# Altium PCB MK66MCU_V03.PcbDoc (part 2 of 2)
Units mil, origin at the board's own origin, x right, y up, seen from the top; angles counter-clockwise.
Board outline 4645.68 x 3342.52 mil, 2 copper layers (Top Layer, Bottom Layer); 103 components, 108 nets, 463 pads, 99 vias.
Unrouted connection lines stored in the file: 2.
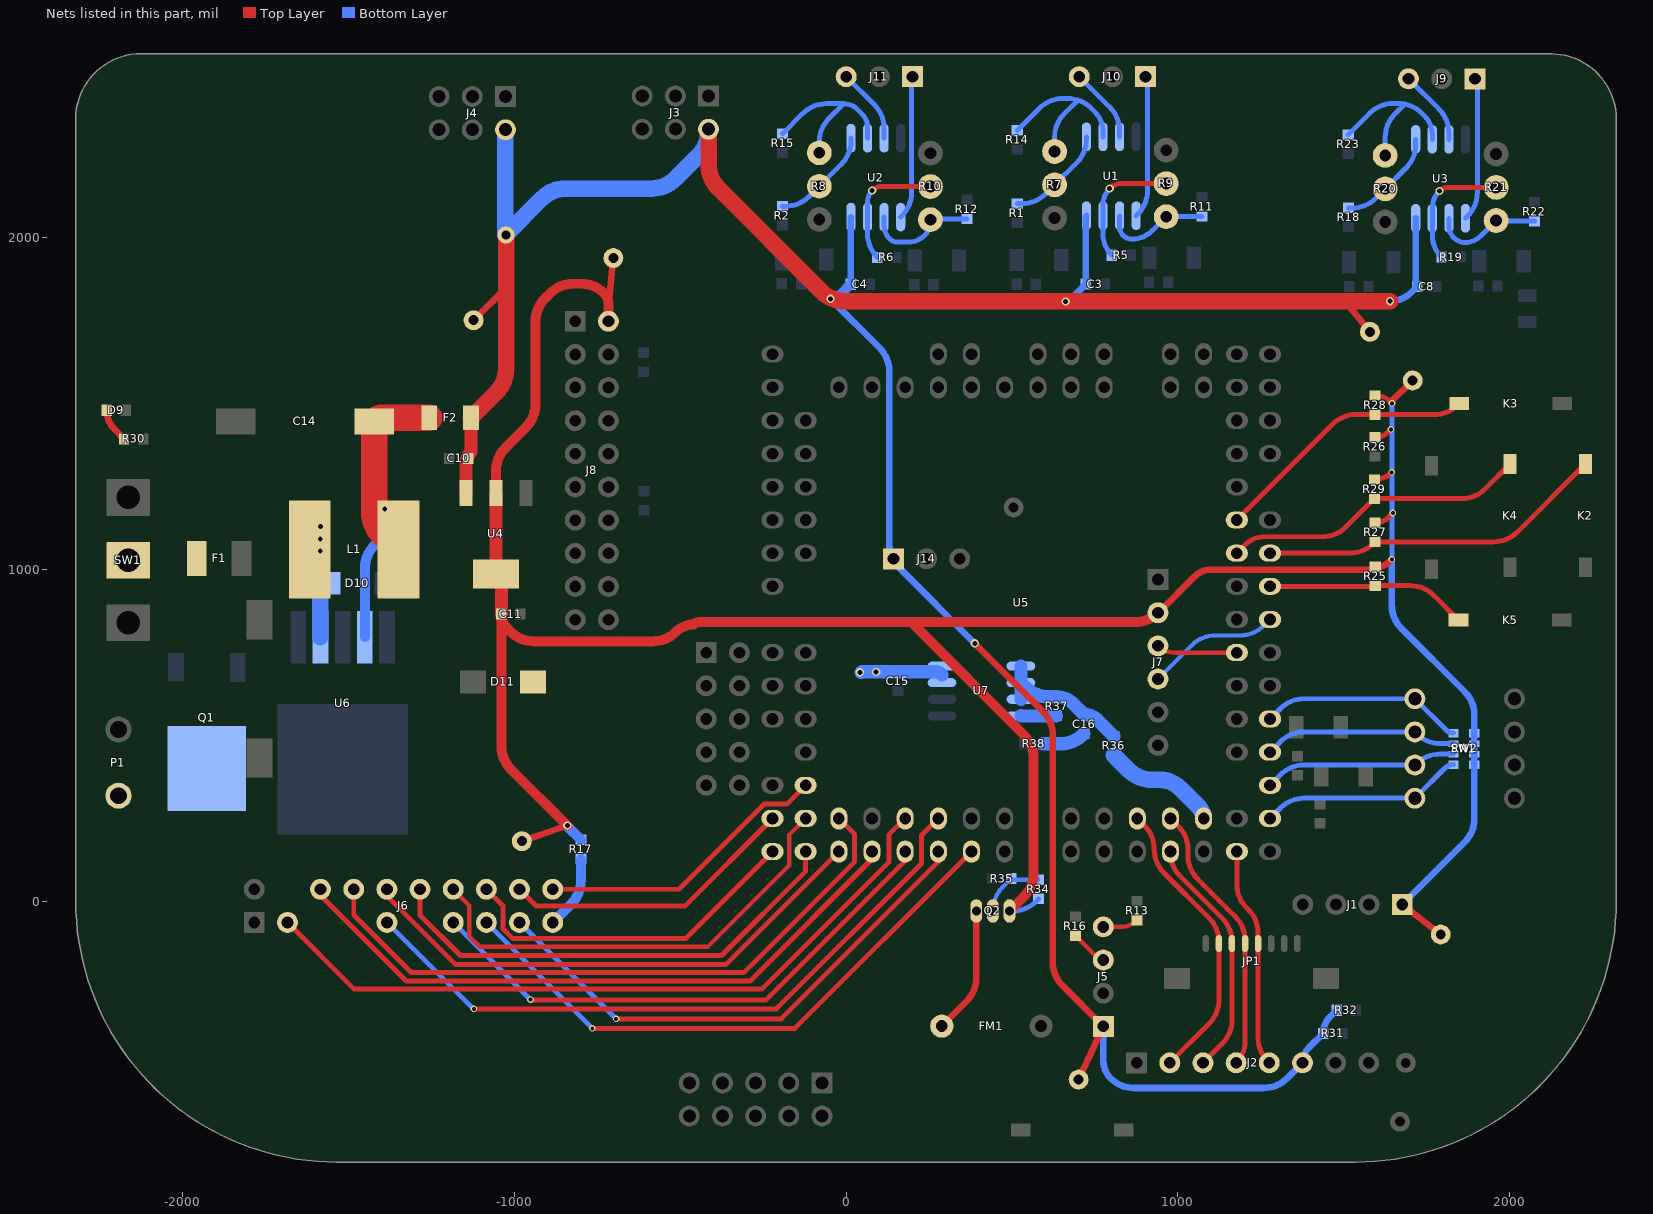
[diagram p2: the nets of this part, all layers, seen from the top]

## Via types
v1: diameter 25, hole 15, Top Layer to Bottom Layer, tented both sides, 80 vias
v2: diameter 20, hole 12, Top Layer to Bottom Layer, tented both sides, 18 vias
v3: diameter 50, hole 28, Top Layer to Bottom Layer, tented both sides, 1 vias

## Nets (pads, with @x,y where several pads share a name; then routed paths per layer and width w, separated by ;. In a path a pad name is that pad's centre, name@x,y a point inside that pad or via, vN(x,y) a via of type N, cw(c..) or ccw(c..) an arc to the next point about the centre after c; other vN are vias at no path point) (continued)
KEY2: K2.B R27.1 U5.43 | length 1053.8
  Top Layer w15: U5.43@1278.5,1049 1519.82,1049 ccw(c1519.82,1149) 1590.53,1078.29 R27.1@1595.5,1083.26 1953.33,1083.26 ccw(c1953.33,1183.26) 2024.04,1112.55 K2.B@2229.5,1318.01
KEY3: K3.B R28.1 U5.46 | length 807.3
  Top Layer w15: U5.46@1178.5,1149 1467.21,1437.71 cw(c1537.92,1367) 1537.92,1467 R28.1@1595.5,1467 1774.57,1467 ccw(c1774.57,1567) 1845.28,1496.29 K3.B@1848.99,1500
KEY4: K4.B R29.1 U5.44 | length 923.3
  Top Layer w15: U5.44@1178.5,1049 1204.31,1074.81 cw(c1261.5,1017.62) 1261.5,1098.5 1436.82,1098.5 ccw(c1436.82,1198.5) 1507.53,1127.79 R29.1@1593.5,1213.76 1856.83,1213.76 ccw(c1856.83,1313.76) 1927.54,1243.05 K4.B@2002.5,1318.01
KEY5: K5.B R25.1 U5.41 | length 607.8
  Top Layer w15: U5.41@1278.5,949 1591.12,949 ccw(c1591.12,955.9) R25.1@1596,951.02 1701.55,951.02 cw(c1701.55,851.02) 1772.26,921.73 K5.B@1846.99,847
LC1: J9.1 U3.5 | length 433.1
  Bottom Layer w15: U3.5@1868,2059 1874.71,2065.71 ccw(c1804,2136.42) 1904,2136.42 1904,2461.39 ccw(c1878.39,2461.39) J9.1@1896.5,2479.5
LC2: J9.3 U3.3 | length 228.5
  Bottom Layer w15: J9.3@1696.5,2479.5 1788.71,2387.29 cw(c1718,2316.58) 1818,2316.58 U3.3@1818,2297
LC3: J10.1 U1.5 | length 430.8
  Bottom Layer w15: U1.5@875,2066.5 879.71,2071.21 ccw(c809,2141.92) 909,2141.92 909,2472.72 ccw(c890.22,2472.72) J10.1@903.5,2486
LC4: J10.3 U1.3 | length 227.5
  Bottom Layer w15: J10.3@703.5,2486 795.71,2393.79 cw(c725,2323.08) 825,2323.08 U1.3@825,2304.5
LC5: J11.1 U2.5 | length 433.5
  Bottom Layer w15: U2.5@165,2062.5 168.21,2065.71 ccw(c97.5,2136.42) 197.5,2136.42 197.5,2478.76 cw(c207.74,2478.76) J11.1@200.5,2486
LC6: J11.3 U2.3 | length 228.6
  Bottom Layer w15: J11.3@0.5,2486 85.71,2400.79 cw(c15,2330.08) 115,2330.08 U2.3@115,2300.5
LCD_CS: J6.9 U5.7 | length 1610.5
  Top Layer w15: v2(-693,-355.5) -195,-355.5 278.5,118 U5.7@278.5,149
  Bottom Layer w15: J6.9@-984.5,-64.5 v2@-693.25,-355.75
LCD_D0: J6.11 U5.85 | length 892.9
  Top Layer w15: J6.11@-884.5,35.5 -503.81,35.5 -247.22,292.09 -178.41,292.09 U5.85@-121.5,349
LCD_D1: J6.12 U5.84 | length 893.7
  Top Layer w15: J6.12@-984.5,35.5 -933.5,-15.5 -486,-15.5 U5.84@-221.5,249
LCD_D2: J6.13 U5.82 | length 1074
  Top Layer w15: J6.13@-1084.5,35.5 -1034.5,-14.5 -1034.5,-83.79 -1004.79,-113.5 -484,-113.5 U5.82@-221.5,149
LCD_D3: J6.14 U5.83 | length 1403.2
  Top Layer w13: J6.14@-1184.5,35.5 -1136.5,-12.5 -1136.5,-105.5 -1104.5,-137.5 -415.94,-137.5 -171.54,106.91 -171.54,198.96 U5.83@-121.5,249
LCD_D4: J6.15 U5.81 | length 1456.2
  Top Layer w15: J6.15@-1284.5,35.5 -1284.5,-42.5 -1162.5,-164.5 -375.5,-164.5 -121.5,89.5 U5.81@-121.5,149
LCD_D5: J6.16 U5.1 | length 1609.4
  Top Layer w15: J6.16@-1384.5,35.5 -1384.5,15.5 -1178,-191 -361.5,-191 U5.1@-21.5,149
LCD_D6: J6.17 U5.2 | length 1948.8
  Top Layer w15: J6.17@-1484.5,35.5 -1484.5,-42 -1310.5,-216 -308.5,-216 26,118.5 26,201.5 U5.2@-21.5,249
LCD_D7: J6.18 U5.3 | length 1962.8
  Top Layer w15: J6.18@-1584.5,35.5 -1584.5,17.5 -1326,-241 -289,-241 78.5,126.5 U5.3@78.5,149
LCD_RD: J6.2 U5.6 | length 2208.1
  Top Layer w15: J6.2@-1684.5,-64.5 -1483,-266 -254,-266 129,117 129,199.5 U5.6@178.5,249
LCD_RS: J6.5 U5.8 | length 2061.9
  Top Layer w15: v2@-1125,-325 v2(-1122.5,-325) -210,-325 227.5,112.5 227.5,198 U5.8@278.5,249
  Bottom Layer w15: J6.5@-1384.5,-64.5 v2@-1122.5,-326.5
LCD_RST: J6.8 U5.9 | length 1816
  Top Layer w15: v2@-765.25,-384 -154.5,-384 U5.9@378.5,149
  Bottom Layer w15: J6.8@-1084.5,-64.5 v2(-765.25,-383.75)
LCD_WR: J6.7 U5.5 | length 1661.1
  Top Layer w15: v2@-951.5,-298 -240.5,-298 178.5,121 U5.5@178.5,149
  Bottom Layer w15: J6.7@-1184.5,-64.5 v2(-951.5,-297.5)
NetC14_1: C14.1 F2.1 L1.1 U6.4 | length 983.8
  Top Layer w80: L1.1@-1349.14,1060.5 -1393.55,1104.91 cw(c-1322.84,1175.62) -1422.84,1175.62 C14.1@-1422.84,1446.5 cw(c-1396.28,1419.94) -1396.28,1457.5 F2.1@-1256.99,1457.5
  Bottom Layer w30: U6.4@-1451,795.5 -1451,1002.58 cw(c-1351,1002.58) -1421.71,1073.29 -1420.29,1074.71 ccw(c-1491,1145.42) -1391,1145.42 v1(-1391,1182)
NetC15_2: C15.2 D11.2 U7.3 U7.4 | length 246.6
  Bottom Layer w40: v1@46,689.5 cw(c51.41,684.09) 51.41,691.74 C15.2@156.5,691.74 267.19,691.74 cw(c267.19,660.19) 289.5,682.5
  other v1: 41.5,689.5 91,690.5
NetC16_1: C16.1 R36.1 R37.2 U7.5 U7.6 U7.7 | length 437.6
  Bottom Layer w40: U7.7@527.5,608.5 U7.6@527.5,658.5 ; U7.5@527.5,708.5 U7.6@527.5,658.5 ; R36.1@808,496.74 759.41,545.33 ccw(c718,503.91) C16.1@718,562.48 685.77,594.71 ccw(c635,543.94) R37.2@635,615.74 611.68,615.74 cw(c611.68,715.74) 540.97,645.03 U7.6@527.5,658.5
NetC16_2: C16.2 R38.2 | length 132.3
  Bottom Layer w40: R38.2@594.24,474 645.58,474 ccw(c645.58,574) 716.29,503.29 C16.2@718,505
NetD9_A: D9.A R30.1 | length 104.5
  Top Layer w20: D9.A@-2229.24,1480 ccw(c-2145.95,1480) -2204.85,1421.11 R30.1@-2177.24,1393.5
NetD10_2: D10.2 L1.2 U6.2 | length 340.1
  Bottom Layer w50: U6.2@-1584.86,795.5 -1584.86,958.5 v1(-1584.86,1129.31) cw(c-1576.81,1129.31) v1@-1582.5,1135
  other v1: -1585.5,1056 -1585.5,1092
NetF1_2: F1.2 SW1.2
NetFM1_1: FM1.1 Q2.3 | length 385.8
  Top Layer w20: FM1.1@288.9,-377 363.71,-302.19 ccw(c293,-231.48) 393,-231.48 Q2.3@393,-30
NetJ5_3: J5.3 R16.2 | length 113.2
  Top Layer w13: R16.2@692,-104.74 757.67,-170.41 ccw(c776,-152.07) J5.3@776,-178
NetJ5_4: J5.4 R13.2 | length 107.5
  Top Layer w13: J5.4@776,-78 828.51,-78 ccw(c828.51,-8.01) R13.2@878,-57.5
NetJ6_10: J6.10 R17.1 | length 222.7
  Bottom Layer w30: J6.10@-884.5,-64.5 -828.79,-8.79 ccw(c-899.5,61.92) -799.5,61.92 R17.1@-799.5,127.26
NetQ2_2: Q2.2 R34.2 R35.2 | length 199.5
  Bottom Layer w13: Q2.2@443,-30 443,-28.92 cw(c543,-28.92) 472.29,41.79 R35.2@498,67.5 ccw(c507.08,76.58) 507.08,63.74 R34.2@580.5,63.74
NetR1_2: R1.2 R7.2 U1.1 | length 311.9
  Bottom Layer w15: R1.2@516.5,2103.24 531.21,2103.24 ccw(c531.21,2203.24) 601.92,2132.53 R7.2@629,2159.6 695.71,2226.32 ccw(c625,2297.03) 725,2297.03 U1.1@725,2304.5
NetR2_2: R2.2 R8.2 U2.1 | length 312.5
  Bottom Layer w15: R2.2@-192,2094.98 -182.44,2094.98 ccw(c-182.44,2194.98) -111.73,2124.27 R8.2@-80.5,2155.5 -14.29,2221.71 ccw(c-85,2292.42) 15,2292.42 U2.1@15,2300.5
NetR5_2: R5.2 R9.2 U1.7 | length 388
  Top Layer w15: v1(795,2148.5) cw(c831.47,2112.03) 831.47,2163.6 R9.2@965.5,2163.6
  Bottom Layer w15: v1(795,2148.5) ccw(c843.28,2100.22) 775,2100.22 U1.7@775,2066.5 775,2011.52 ccw(c865.54,2011.52) R5.2@801.52,1947.5
NetR6_2: R6.2 R10.2 U2.7 | length 392.4
  Top Layer w15: v1(79,2143) cw(c107.02,2114.98) 107.02,2154.6 R10.2@254.5,2154.6
  Bottom Layer w15: v1(79,2143) ccw(c112.8,2109.2) 65,2109.2 U2.7@65,2062.5 65,2012.18 ccw(c165,2012.18) 94.29,1941.47 R6.2@94.76,1941
NetR7_3: R7.3 R14.1 U1.2 | length 543.6
  Bottom Layer w15: R14.1@516.5,2323.74 583.47,2390.71 cw(c654.18,2320) 654.18,2420 669.08,2420 cw(c669.08,2320) 699.45,2415.28 ; R7.3@629,2260.4 629,2303.4 cw(c729,2303.4) 658.29,2374.11 699.45,2415.28 ; U1.2@775,2304.5 775,2320.14 ccw(c689.64,2320.14) 750,2380.5 739.79,2390.71 ccw(c669.08,2320) 699.45,2415.28
NetR8_3: R8.3 R15.1 U2.2 | length 534.4
  Bottom Layer w15: R15.1@-191,2314.24 -130.03,2375.21 cw(c-59.32,2304.5) -59.32,2404.5 -7,2404.5 ; R8.3@-80.5,2256.29 -80.5,2289.58 cw(c19.5,2289.58) -51.21,2360.29 -7,2404.5 ; U2.2@65,2300.5 65,2333.17 ccw(c8.67,2333.17) 48.5,2373 33.97,2387.53 ccw(c-7,2346.56) -7,2404.5
NetR9_1: R9.1 R11.2 U1.6 | length 326.8
  Bottom Layer w15: U1.6@825,2066.5 825,2034.26 ccw(c864.26,2034.26) 836.5,2006.5 ccw(c861.85,2031.85) 861.85,1996 ccw(c861.85,2083.02) 923.38,2021.49 R9.1@965.5,2063.6 1071.42,2063.6 ccw(c1071.42,2065.84) R11.2@1073,2064.26
NetR10_1: R10.1 R12.2 U2.6 | length 346.3
  Bottom Layer w15: U2.6@115,2062.5 115,2037.54 ccw(c173.04,2037.54) 132,1996.5 ccw(c154.94,2019.44) 154.94,1987 186.59,1987 ccw(c186.59,2060.41) 238.5,2008.5 ccw(c199.87,2047.13) 254.5,2047.13 R10.1@254.5,2054.6 cw(c259.7,2049.4) 259.7,2056.76 R12.2@364.5,2056.76
NetR18_2: R18.2 R20.2 U3.1 | length 313.2
  Bottom Layer w15: R18.2@1515.5,2090.09 1527.06,2090.09 ccw(c1527.06,2190.09) 1597.77,2119.37 R20.2@1626,2147.6 1688.71,2210.32 ccw(c1618,2281.03) 1718,2281.03 U3.1@1718,2297
NetR19_2: R19.2 R21.2 U3.7 | length 386.5
  Top Layer w15: v1(1789.5,2141) cw(c1816.31,2114.19) 1816.31,2152.1 R21.2@1960.5,2152.1
  Bottom Layer w15: v1(1789.5,2141) ccw(c1841.41,2089.09) 1768,2089.09 U3.7@1768,2059 1768,2008.62 ccw(c1862.78,2008.62) R19.2@1795.76,1941.61
NetR20_3: R20.3 R23.1 U3.2 | length 527.7
  Bottom Layer w15: R23.1@1514.5,2310.85 1579.37,2375.71 cw(c1650.08,2305) 1650.08,2405 1665.58,2405 cw(c1665.58,2305) 1684.92,2403.11 ; R20.3@1626,2248.4 1626,2302.77 cw(c1726,2302.77) 1655.29,2373.48 1684.92,2403.11 ; U3.2@1768,2297 1768,2312.18 ccw(c1691.18,2312.18) 1745.5,2366.5 1736.29,2375.71 ccw(c1665.58,2305) 1684.92,2403.11
NetR21_1: R21.1 R22.2 U3.6 | length 334.9
  Bottom Layer w15: U3.6@1818,2059 1818,2035.51 ccw(c1867.51,2035.51) 1832.5,2000.5 ccw(c1867.51,2035.51) 1867.51,1986 ccw(c1867.51,2050.92) 1913.41,2005.01 R21.1@1960.5,2052.1 ccw(c1965.33,2056.93) 1965.33,2050.11 R22.2@2076,2050.1
NetR31_2: 
NetR37_1: R37.1 U7.8 | length 107.6
  Bottom Layer w40: U7.8@527.5,558.5 527.74,558.26 R37.1@635,558.26
PWM_MOTOR1+: J2.5 JP1.5 U5.26 | length 664.7
  Top Layer w15: U5.26@1178.5,149 1178.5,50.42 ccw(c1278.5,50.42) 1207.79,-20.29 1213.4,-25.9 cw(c1142.69,-96.61) 1242.69,-96.61 JP1.5@1242.69,-128.24 1242.69,-412.76 ccw(c1342.69,-412.76) 1271.97,-483.47 J2.5@1276.5,-488
PWM_MOTOR1-: J2.4 JP1.4 U5.22 | length 824.6
  Top Layer w15: U5.22@978.5,249 1002.21,225.29 cw(c931.5,154.58) 1031.5,154.58 1031.5,135 ccw(c1126.86,135) 1059.43,67.57 1174.03,-47.03 cw(c1103.31,-117.74) 1203.31,-117.74 JP1.4@1203.31,-128.24 1203.31,-423.26 cw(c1111.76,-423.26) J2.4@1176.5,-488
PWM_MOTOR2+: J2.3 JP1.3 U5.21 | length 737.1
  Top Layer w15: U5.21@978.5,149 978.5,145.42 ccw(c1078.5,145.42) 1007.79,74.71 1134.66,-52.16 cw(c1063.94,-122.87) 1163.94,-122.87 JP1.3@1163.94,-128.24 1163.94,-359.13 cw(c1063.94,-359.13) 1134.66,-429.84 J2.3@1076.5,-488
PWM_MOTOR2-: J2.2 JP1.2 U5.20 | length 883.1
  Top Layer w15: U5.20@878.5,249 900.21,227.29 cw(c829.5,156.58) 929.5,156.58 929.5,155.42 ccw(c1029.5,155.42) 958.79,84.71 1095.29,-51.79 cw(c1024.57,-122.5) 1124.57,-122.5 JP1.2@1124.57,-128.24 1124.57,-298.5 cw(c1024.57,-298.5) 1095.29,-369.21 J2.2@976.5,-488
SW1: RN1.4 SW2.1 U5.33 | length 616.2
  Bottom Layer w15: U5.33@1278.5,549 1310.21,580.71 cw(c1380.92,510) 1380.92,610 SW2.1@1715.5,610 1810.68,514.82 ccw(c1832,536.13) RN1.4@1832,505.99
SW2: RN1.3 SW2.2 U5.31 | length 584.9
  Bottom Layer w15: U5.31@1278.5,449 1310.21,480.71 cw(c1380.92,410) 1380.92,510 SW2.2@1715.5,510 1721.71,503.79 ccw(c1792.42,574.5) 1792.42,474.5 RN1.3@1832,474.5
SW3: RN1.2 SW2.3 U5.29 | length 583.8
  Bottom Layer w15: U5.29@1278.5,349 1310.21,380.71 cw(c1380.92,310) 1380.92,410 SW2.3@1715.5,410 1719.21,413.71 cw(c1789.92,343) 1789.92,443 RN1.2@1832,443
SW4: RN1.1 SW2.4 U5.27 | length 615
  Bottom Layer w15: U5.27@1278.5,249 1310.21,280.71 cw(c1380.92,210) 1380.92,310 SW2.4@1715.5,310 1806.41,400.91 cw(c1832,375.31) RN1.1@1832,411.51
TOF_RXD: J7.3 U5.38 | length 243
  Top Layer w13: J7.3@941,769.5 ccw(c990.49,818.99) 990.49,749 U5.38@1178.5,749
TOF_TXD: J7.4 U5.39 | length 403.2
  Bottom Layer w13: J7.4@941,669.5 1043.21,771.71 cw(c1113.92,701) 1113.92,801 1189.08,801 ccw(c1189.08,901) 1259.79,830.29 U5.39@1278.5,849
VCC5V_MCU: R36.2 U5.24 | length 351
  Bottom Layer w50: R36.2@808,439.26 852.47,394.79 ccw(c923.18,465.5) 923.18,365.5 946.5,365.5 cw(c946.5,279.8) 1007.1,340.4 1064.36,283.14 cw(c1030.22,249) U5.24@1078.5,249
VCC_3.3V: C11.1 J1.1 J7.2 J8.20 pad.3 Q2.1 R17.2 R25.2 R26.2 R27.2 R28.2 R29.2 R34.1 RN1.5 RN1.6 RN1.7 RN1.8 U4.2 U4.4 | length 8481.5
  Top Layer w15: R29.2@1593.5,1271.24 1594.17,1271.24 ccw(c1594.17,1343.83) v2(1645.5,1292.5) ; R26.2@1595,1397.98 ccw(c1595,1454.67) 1635.08,1414.58 v2(1643,1422.5) ; R27.2@1595.5,1140.74 ccw(c1595.5,1199.26) 1636.88,1157.88 v2(1649,1170) ; R28.2@1595.5,1524.48 cw(c1595.5,1458.04) v2@1642.48,1505.02 ; v2@1643.8,1028.3 v2(1646,1030.5)
  Top Layer w20: pad.3@-977.5,180.5 v1(-840.5,227.5) ; -716.5,1783.5 pad.3@-701.5,1939 ; J7.2@941,869.5 ccw(c941,872.51) 943.13,870.38 1051.21,978.46 cw(c1100.8,928.87) 1100.8,999 1573.08,999 ccw(c1573.08,1099) v2@1643.79,1028.29 ; v2@1642.48,1505.02 v2@1642.52,1505.06 ; v2@1642.53,1505.07 pad.3@1709,1570 ; J1.1@1677.5,-10.5 pad.3@1793.5,-101
  Top Layer w30: U4.2@-1055.5,1230.05 -1055.5,1297.08 cw(c-955.5,1297.08) -1026.21,1367.79 -965.79,1428.21 ccw(c-1036.5,1498.92) -936.5,1498.92 -936.5,1747.08 cw(c-836.5,1747.08) -907.21,1817.79 -892.79,1832.21 cw(c-822.08,1761.5) -822.08,1861.5 -798.92,1861.5 cw(c-798.92,1761.5) -728.21,1832.21 cw(c-756.48,1803.94) -716.5,1803.94 -716.5,1783.5 J8.20@-716.5,1748.5 ; v1(-840.5,227.5) -1009.95,396.95 cw(c-939.24,467.66) -1039.24,467.66 C11.1@-1039.24,865 ccw(c-979.46,865) -1021.73,822.73 -1011.29,812.29 ccw(c-940.58,883) -940.58,783 -582.51,783 ccw(c-582.51,882.01) -512.5,812 cw(c-459.39,758.89) -459.39,834 cw(c-442.49,817.1) -442.49,841 196.5,841 ; Q2.1@493,-30 536.71,13.71 ccw(c466,84.42) 566,84.42 566,430.08 ccw(c466,430.08) 536.71,500.79 196.5,841 ; J7.2@941,869.5 cw(c872.19,938.31) 872.19,841 196.5,841
  Top Layer w40: U4.2@-1055.5,1230.05 U4.4@-1055.5,985.95 cw(c-1094.75,946.7) -1039.24,946.7 C11.1@-1039.24,865
  Bottom Layer w15: Q2.1@493,-30 502.82,-30 ccw(c502.82,70) 573.53,-0.71 R34.1@580.5,6.26 ; v2(1646,1030.5) 1646,1422.5 1646,1499.79 cw(c1647.71,1499.79) v2(1646.5,1501)
  Bottom Layer w20: v2(1646,1030.5) 1646,892.42 ccw(c1746,892.42) 1675.29,821.71 1865.7,631.3 cw(c1794.99,560.58) 1894.99,560.58 RN1.8@1894.99,411.51 1894.99,248.42 cw(c1794.99,248.42) 1865.7,177.7 J1.1@1677.5,-10.5
  Bottom Layer w30: v1@-840.45,225.69 R17.2@-799.5,184.74
VCC_5V: C3.1 C4.1 C8.1 C10.1 F2.2 J2.6 J3.6 J4.6 J5.1 J14.1 pad.4 R31.1 R32.1 U1.8 U2.8 U3.8 U4.3 | length 9045.3
  Top Layer w20: pad.4@-1123,1751.5 -1025,1848.5 ; v1(388.5,777) 594.21,571.29 cw(c523.5,500.58) 623.5,500.58 623.5,-184.08 ccw(c723.5,-184.08) 652.79,-254.79 J5.1@776,-378 pad.4@701.5,-538.5 ; 1505,1809 pad.4@1580,1716.5
  Top Layer w40: U4.3@-1146.05,1230.05 -1146.05,1317.98 cw(c-1094.68,1317.98) -1131.01,1354.3 F2.2@-1131.01,1457.5
  Top Layer w50: F2.2@-1131.01,1457.5 -1054.29,1534.22 ccw(c-1125,1604.93) -1025,1604.93 -1025,1848.5 -1025,2009 v3(-1025.44,2008.56) ; J3.6@-414.5,2327.5 -414.5,2220.42 ccw(c-314.5,2220.42) -385.21,2149.71 -73.79,1838.29 ccw(c-3.08,1909) -3.08,1809 1505,1809 v1(1640.58,1809)
  Bottom Layer w20: v1(-46.5,1816) 101.21,1668.29 cw(c30.5,1597.58) 130.5,1597.58 130.5,1076.42 ccw(c230.5,1076.42) 159.79,1005.71 v1(388.5,777) ; C4.1@14.02,1860 14.02,2060.13 cw(c17.37,2060.13) U2.8@15,2062.5 ; v1(662.5,1808) ccw(c662.5,1827.69) 676.42,1813.77 C3.1@723.26,1860.6 723.26,2062.3 cw(c729.2,2062.3) U1.8@725,2066.5 ; J5.1@776,-378 776,-481.09 ccw(c851.83,-481.09) 798.21,-534.71 ccw(c868.92,-464) 868.92,-564 1259.08,-564 ccw(c1259.08,-464) 1329.79,-534.71 J2.6@1376.5,-488 cw(c1440.48,-488) 1395.24,-442.76 R31.1@1439,-399 cw(c1509.59,-399) 1459.68,-349.08 R32.1@1479.26,-329.5 ; v1(1640.58,1809) ccw(c1640.58,1899.72) 1704.73,1835.57 C8.1@1722.26,1853.1 cw(c1732.54,1863.39) 1718,1863.39 U3.8@1718,2059
  Bottom Layer w30: v1(-46.5,1816) ccw(c-46.5,1855.88) -18.3,1827.68 C4.1@14.02,1860
  Bottom Layer w50: J4.6@-1027,2326 ccw(c-1024.59,2323.59) -1028,2323.59 -1028,2007.5 -916.29,2119.21 cw(c-845.58,2048.5) -845.58,2148.5 -586.42,2148.5 ccw(c-586.42,2248.5) -515.71,2177.79 -443.79,2249.71 ccw(c-514.5,2320.42) -414.5,2320.42 J3.6@-414.5,2327.5
VEE: P1.2 Q1.4
pads on no net: J3.3 J3.4 J4.3 J4.4 J6.3 J6.4 J6.6 J6.19 J6.20 J8.13 J8.14 J8.16 J8.18 J8.19 J12.9 J13.7 J13.10 J14.2 JP1.6 JP1.9 JP1.10 R7.1 R8.1 R9.3 R10.3 R20.1 R21.3 SW1.1 U5.4 U5.10 U5.12 U5.13 U5.14 U5.15 U5.16 U5.17 U5.30 U5.32 U5.34 U5.36 U5.40 U5.42 U5.47 U5.48 U5.49 U5.50 U5.51 U5.52 U5.53 U5.54 U5.58 U5.59 U5.60 U5.61 U5.62 U5.68 U5.69 U5.70 U5.71 U5.72 U5.75 U5.76 U5.77 U5.78 U5.79 U5.80 U5.86 U5.87 U5.88 U5.89 U5.90 U5.91 U5.92 U5.93 U5.95 U5.96 U5.97 U5.109 U5.111
copper on no net: | length 2607.6
  Top Layer w10: -2224.5,1904 ccw(c-2174.5,1904) -2174.5,1854 -1584.5,1854 ccw(c-1584.5,1904) -1534.5,1904 -1534.5,2174 ccw(c-1584.5,2174) -1584.5,2224 -2174.5,2224 ccw(c-2174.5,2174) -2224.5,2174 -2224.5,1904
  Top Layer w15: 178.5,1549 212.71,1514.79 cw(c142,1444.08) 242,1444.08 242,1087.91 242,1032.24 cw(c231.76,1032.24) 239,1025 ; 242.5,1036.5 242.5,1060.54
  Bottom Layer w20: 1577.5,-497 ccw(c1575.18,-494.68) 1578.46,-494.68

## Polygon pours and split planes (outlines as drawn)
GND on Bottom Layer "Top Layer-No Net" (solid, remove dead copper, pour order 28): 1700.5,-732 2237.5,-196 2244.21,-189.29 ccw(c2173.5,-118.58) 2273.5,-118.58 2273.5,-45 2273.5,1655.58 ccw(c2173.5,1655.58) 2244.21,1726.29 2226.5,1744 ccw(c2160.11,1677.61) 2160.11,1771.5 1990.5,1771.5 -72.08,1771.5 cw(c-72.08,1871.5) -142.79,1800.79 -209,1867 -241.21,1899.21 cw(c-170.5,1969.92) -270.5,1969.92 -270.5,2156 -270.5,2357.58 ccw(c-370.5,2357.58) -299.79,2428.29 -372,2500.5 -375.22,2503.72 ccw(c-443.5,2435.43) -443.5,2532 -2108.08,2532 ccw(c-2108.08,2432) -2178.79,2502.71 -2260.5,2421 ccw(c-2206.18,2366.68) -2283,2366.68 -2283,2307 -2283,-14.15 ccw(c-2247.15,-14.15) -2272.5,-39.5 -1758.5,-685 -1743.29,-700.21 ccw(c-1672.58,-629.5) -1672.58,-729.5 -1558,-729.5
AGND on Bottom Layer "Top Layer-No Net" (solid, remove dead copper, pour order 18): 2022.5,1796.5 2086.08,1796.5 ccw(c2086.08,1896.5) 2156.79,1825.79 2246.5,1915.5 ccw(c2178.9,1983.1) 2274.5,1983.1 2274.5,2053.5 2274.5,2365.58 ccw(c2174.5,2365.58) 2245.21,2436.29 2205,2476.5 2184.29,2497.21 ccw(c2113.58,2426.5) 2113.58,2526.5 2043.5,2526.5 -93.08,2526.5 ccw(c-93.08,2426.5) -163.79,2497.21 -196,2465 -221.71,2439.29 ccw(c-151,2368.58) -251,2368.58 -251,2248.5 -251,1986.09 ccw(c-151,1986.09) -221.71,1915.38 -207.53,1901.2 -132.12,1825.79 ccw(c-61.41,1896.5) -61.41,1796.5 2023,1796.5
DC_POWERIN on Bottom Layer "Top Layer-No Net" (solid, remove dead copper, pour order 2): -2179.5,466.5 -1998,598 -1974.79,621.21 ccw(c-2045.5,691.92) -1945.5,691.92 -1945.5,719 -1945.5,793.58 ccw(c-2045.5,793.58) -1974.79,864.29 -2008.5,898 -2008.71,898.21 ccw(c-2079.42,827.5) -2079.42,927.5 -2193,927.5 -2209.73,927.5 ccw(c-2209.73,838.73) -2272.5,901.5 ccw(c-2241.12,870.12) -2285.5,870.12 -2285.5,753.5 -2285.5,508.97 ccw(c-2244.53,508.97) -2273.5,480 ccw(c-2226.42,527.08) -2226.42,460.5 -2202,460.5
VEE on Bottom Layer "Top Layer-No Net" (solid, remove dead copper, pour order 0): -2232,234 -1880.92,234 ccw(c-1880.92,334) -1810.21,263.29 -1802.5,271 ccw(c-1855.61,324.11) -1780.5,324.11 -1780.5,450 -1780.5,465.44 ccw(c-1867.56,465.44) -1806,527 -1806.71,527.71 ccw(c-1877.42,457) -1877.42,557 -1977,557 -1979.9,557 ccw(c-1979.9,461.4) -2047.5,529 -2242,402 ccw(c-2175.61,335.61) -2269.5,335.61 -2269.5,279.5 ccw(c-2235.7,279.5) -2259.6,255.6 -2241,237
GND on Top Layer "Top Layer-No Net" (solid, remove dead copper, pour order 26): 1700.5,-730.5 2250,-184.5 ccw(c2190.85,-125.35) 2274.5,-125.35 2274.5,507.5 2274.5,1653.58 ccw(c2174.5,1653.58) 2245.21,1724.29 2234.5,1735 2227.29,1742.21 ccw(c2156.58,1671.5) 2156.58,1771.5 1987,1771.5 -59.58,1771.5 cw(c-59.58,1871.5) -130.29,1800.79 -145.5,1816 -241.71,1912.21 cw(c-171,1982.92) -271,1982.92 -271,2022.5 -271,2357.58 ccw(c-371,2357.58) -300.29,2428.29 -384.5,2512.5 ccw(c-427.96,2469.04) -427.96,2530.5 -2068.5,2530.5 -2109.08,2530.5 ccw(c-2109.08,2430.5) -2179.79,2501.21 -2269,2412 ccw(c-2240.03,2383.03) -2281,2383.03 -2281,2181.5 -2281,-27.5 -1749,-694.5 -1743.29,-700.21 ccw(c-1672.58,-629.5) -1672.58,-729.5 1702,-729.5
AGND on Top Layer "Top Layer-No Net" (solid, remove dead copper, pour order 16): 1960.5,1796.5 2085.58,1796.5 ccw(c2085.58,1896.5) 2156.29,1825.79 2163,1832.5 2244.71,1914.21 ccw(c2174,1984.92) 2274,1984.92 2274,2333 2274,2365.58 ccw(c2174,2365.58) 2244.71,2436.29 2192,2489 2184.29,2496.71 ccw(c2113.58,2426) 2113.58,2526 1852.5,2526 -93.58,2526 ccw(c-93.58,2426) -164.29,2496.71 -189,2472 -221.71,2439.29 ccw(c-151,2368.58) -251,2368.58 -251,2264 -251,1987.42 ccw(c-151,1987.42) -221.71,1916.71 -145,1840 -130.79,1825.79 ccw(c-60.08,1896.5) -60.08,1796.5 1960.5,1796.5
NetC15_2 on Top Layer "Top Layer-No Net" (solid, remove dead copper, pour order 6): -983,696 cw(c-978.17,696) -981.59,699.41 -969.5,711.5 cw(c-950.19,692.19) -950.19,719.5 -903.5,719.5 103.46,719.5 cw(c103.46,661.46) 144.5,702.5 cw(c125.19,683.19) 152.5,683.19 152.5,656.5 152.5,641.33 cw(c96.17,641.33) 136,601.5 cw(c81.68,655.82) 81.68,579 -268,579 -897.58,579 cw(c-897.58,679) -968.29,608.29 -985,625
DC_POWERIN on Top Layer "Top Layer-No Net" (solid, remove dead copper, pour order 4): -2179.5,466.5 -1998.5,597.5 -1971.25,624.75 ccw(c-2031,684.5) -1946.5,684.5 -1946.5,795.08 ccw(c-2046.5,795.08) -1975.79,865.79 -1992,882 -2008.21,898.21 ccw(c-2078.92,827.5) -2078.92,927.5 -2090,927.5 -2211.85,927.5 ccw(c-2211.85,843.85) -2271,903 ccw(c-2235.99,867.99) -2285.5,867.99 -2285.5,516.5 ccw(c-2226.35,516.5) -2268.18,474.68 -2268,474.5 ccw(c-2232.99,509.51) -2232.99,460 -2201.5,460

## Keep-outs
Keep-Out Layer:
  lines w10: -2200.78,100 -2200.78,-2 ccw(c-2131.88,-2) -2063.01,0 -2062.99,100 ccw(c-2131.89,100) -2200.76,98 ; -1348.5,1979.19 -1348.5,2088 cw(c-1279.63,2090) -1210.73,2090 ; -1348.08,1975.19 ccw(c-1279.18,1975.19) -1210.31,1977.19 -1210.31,2086 ; 1211,1976.69 1211,2085.5 cw(c1279.87,2087.5) 1348.77,2087.5 ; 1211.42,1972.69 ccw(c1280.32,1972.69) 1349.19,1974.69 1349.19,2083.5 ; 2066.26,98 cw(c2135.12,100) 2204.02,100 2204.02,-1 cw(c2135.13,-3) 2066.23,-3 2066.23,100 ; 2125.98,2554.85 cw(c2125.98,2358) 2322.83,2358 2322.83,0 cw(c1535.43,0) 1535.43,-787.4 -1535.43,-787.4 cw(c-1535.43,0) -2322.83,0 -2322.83,2358.27 cw(c-2126,2358.27) -2126,2555.12 2125.98,2555.12 ; -2231,676.13 ccw(c-2191.63,676.13) -2152.26,676.13 -2152.26,700.5 ccw(c-2191.63,700.5) -2231,700.5 -2231,676.13 ; -2230,2367.63 ccw(c-2190.63,2367.63) -2151.26,2367.63 -2151.26,2392 ccw(c-2190.63,2392) -2230,2392 -2230,2367.63 ; -2229.5,1645.63 ccw(c-2190.13,1645.63) -2150.76,1645.63 -2150.76,1670 ccw(c-2190.13,1670) -2229.5,1670 -2229.5,1645.63 ; 1017.57,-701.5 cw(c1017.57,-662.13) 1017.57,-622.76 1415.94,-622.76 cw(c1415.94,-662.13) 1415.94,-701.5 1017.57,-701.5 ; 2156,665.5 ccw(c2195.37,665.5) 2234.74,665.5 2234.74,689.87 ccw(c2195.37,689.87) 2156,689.87 2156,665.5 ; 2157,2357 ccw(c2196.37,2357) 2235.74,2357 2235.74,2381.37 ccw(c2196.37,2381.37) 2157,2381.37 2157,2357 ; 2157.5,1635 ccw(c2196.87,1635) 2236.24,1635 2236.24,1659.37 ccw(c2196.87,1659.37) 2157.5,1659.37 2157.5,1635

## Other copper
Top Layer:
  rectangle net GND: -1925.5,1386 -1760.5,1509.5
  rectangle net GND: -1858.5,305.5 -1667.5,540.5
  rectangle net GND: -1839,333.5 -1696,518
  rectangle net 7.2V: -1761.5,719 -1669,891.5
  rectangle net 7.2V: -1872,795.5 -1736.5,1111
  rectangle net NetF1_2: -2276.5,953 -1914.5,1114.5
  text "帝江" at -2124.5,1984 h250
  text "CQUPT-2020.07" at -2199.5,1879 h100
Bottom Layer:
  rectangle net 7.2V: -1760.5,715 -1645,891

## Silkscreen, mask and mechanical layers (free items; w line width, h text height)
Top Overlay:
  lines w10: -321.5,549 -221.5,549 ; -2009.5,-431.31 ccw(c-1792.96,-431.31) -1792.96,-647.85 -883.91,-647.85 ccw(c-883.91,-431.31) -667.37,-431.31 -667.37,1330.5 -2009.5,1330.5 -2009.5,-431.31
  text "5V" at -362,2308 h60
  text "5V" at -973,2305.5 h60
  text "编码器" at -978.5,2074.5 h120
  text "3v3" at -663,1919 h60
  text "3.3V" at -750,1815.5 h60
  text "5v" at 1617,1712 h60
  text "5v" at -1209.5,1706.5 h60
  text "3v3" at 1668.5,1606 h60
  text "摄像头" at -902.5,1451.5 h120 r90
  text "5v" at 109,1097.5 h60
  text "GND" at 306,1090 h60
  text "GND" at -702,697 h60 r90
  text "负极" at -1978.5,369.5 h120 r270
  text "3v3" at -1009.5,221.5 h60
  text "3.3V" at -943,97.5 h60
  text "SDA" at 1316.5,-82.5 h60
  text "SCL" at 1432.5,-84 h60
  text "3v3" at 1829.5,-149.5 h60
  text "3.3V" at 1703.5,-154 h60 r90
  text "GND" at 1595.5,-162.5 h60 r90
  text "GND" at 873,-317.5 h60 r90
  text "JLCJLCJLCJLC" at 1028.5,-323.5 h60
  text "下载器" at -424,-400.5 h120
  text "5V" at 875.5,-415 h60 r90
  text "motor" at 977,-435 h120
  text "5v" at 687,-496.5 h60
  text "GND" at 825,-588 h60
  text "GND" at 1645.5,-588.5 h60
  text "5V" at 1335,-593 h60
  text "E1" at 1433,-593 h60
  text "E3" at 1560,-596 h60
  text "复位" at 250.5,-764.5 h120
Bottom Overlay:
  text "GND" at 876,953 h60
  text "3.3V" at 878.5,849.5 h60
  text "RX" at 876,749.5 h60
  text "TX" at 880.5,655.5 h60
  text "SDA" at 1045.5,611 h60 r90
  text "SCL" at 1047.5,488.5 h60 r90
  text "负极" at -2123,201 h120 r270
  text "SCL" at 1451.5,90.5 h60 r180
  text "SDA" at 1335,82.5 h60 r180
  text "GND" at 1564,54 h60 r270
  text "3.3V" at 1658.5,51.5 h60 r270
Top Paste:
  lines w10: -2169.5,2224 -2174.5,2224 ; -2174.5,2224 ccw(c-2174.5,2174) -2224.5,2174 -2224.5,1904 ccw(c-2174.5,1904) -2174.5,1854 -1584.5,1854 ccw(c-1584.5,1904) -1534.5,1904 -1534.5,2174 ccw(c-1584.5,2174) -1584.5,2224 -2174.5,2224
  text "帝江" at -2124.5,1984 h250
  text "CQUPT-2020.07" at -2199.5,1879 h100
Top Solder:
  lines w10: -2044.5,2224 -1584.5,2224 cw(c-1584.5,2174) -1534.5,2174 -1534.5,1904 cw(c-1584.5,1904) -1584.5,1854 -2174.5,1854 cw(c-2174.5,1904) -2224.5,1904 -2224.5,2174 cw(c-2174.5,2174) -2174.5,2224 -2029.5,2224
  text "帝江" at -2124.5,1984 h250
  text "CQUPT-2020.07" at -2199.5,1879 h100

## Text inside footprints (layer, text, board x,y; h text height)
SW2: Top Overlay "ON" at 1935.75,636 h31.5 r270; Top Overlay "1" at 1776.14,613.8 h19.68 r90; Top Overlay "2" at 1776.34,516 h19.68 r90; Top Overlay "3" at 1775.84,414.9 h19.68 r90; Top Overlay "4" at 1775.5,310 h19.68 r90
U5: Top Overlay "USB" at 1458.33,808.23 h50 r90; Top Overlay "JLink" at -330.48,1090.81 h100 r90